# Altium PCB PCB.PcbDoc
Units mm, origin at the board's own origin, x right, y up, seen from the top; angles counter-clockwise.
Board outline 67.5 x 77.5 mm, 2 copper layers (Top Layer, Bottom Layer), stack 1.5 mm thick; 37 components, 19 nets, 89 pads, 0 vias.
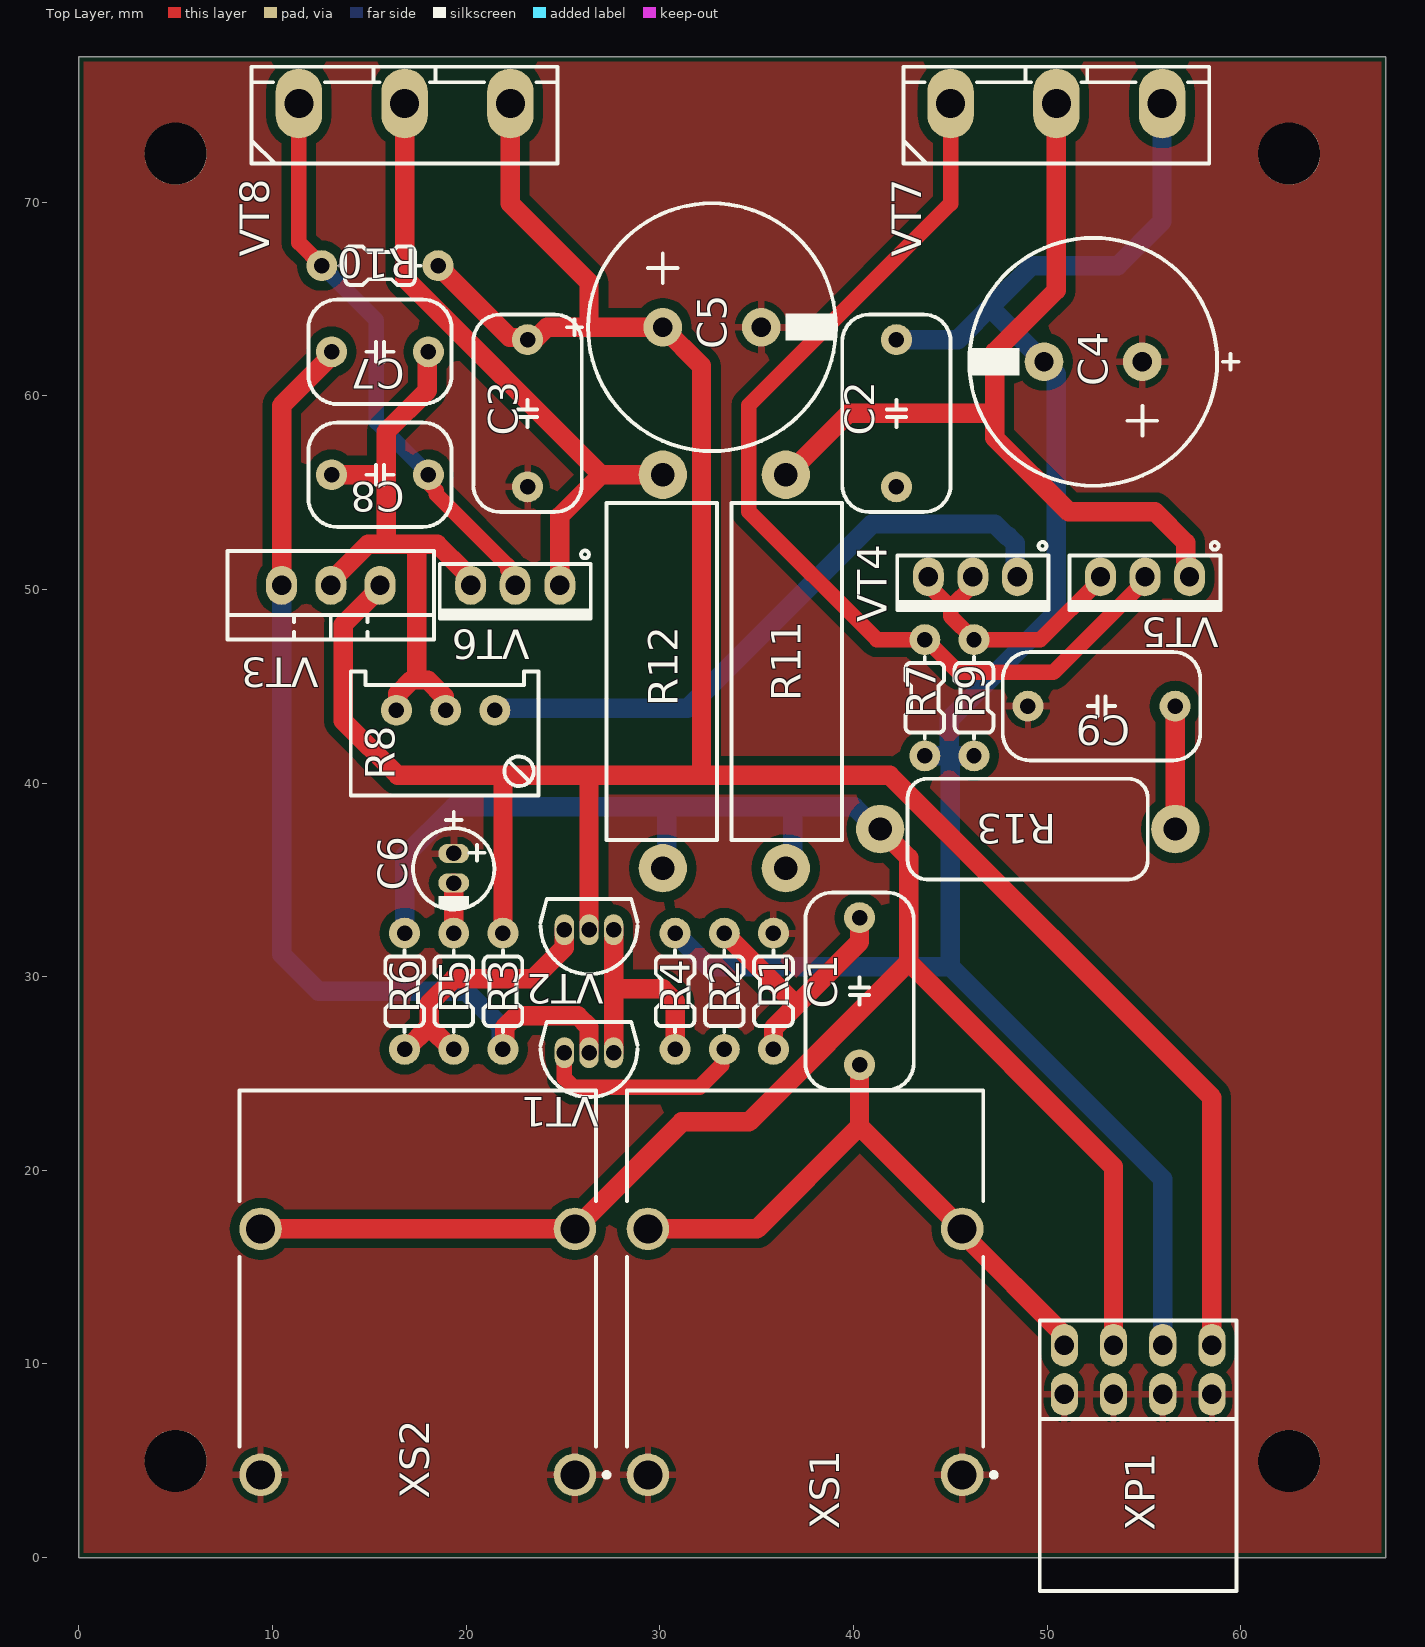
[diagram p0: Top Layer view]
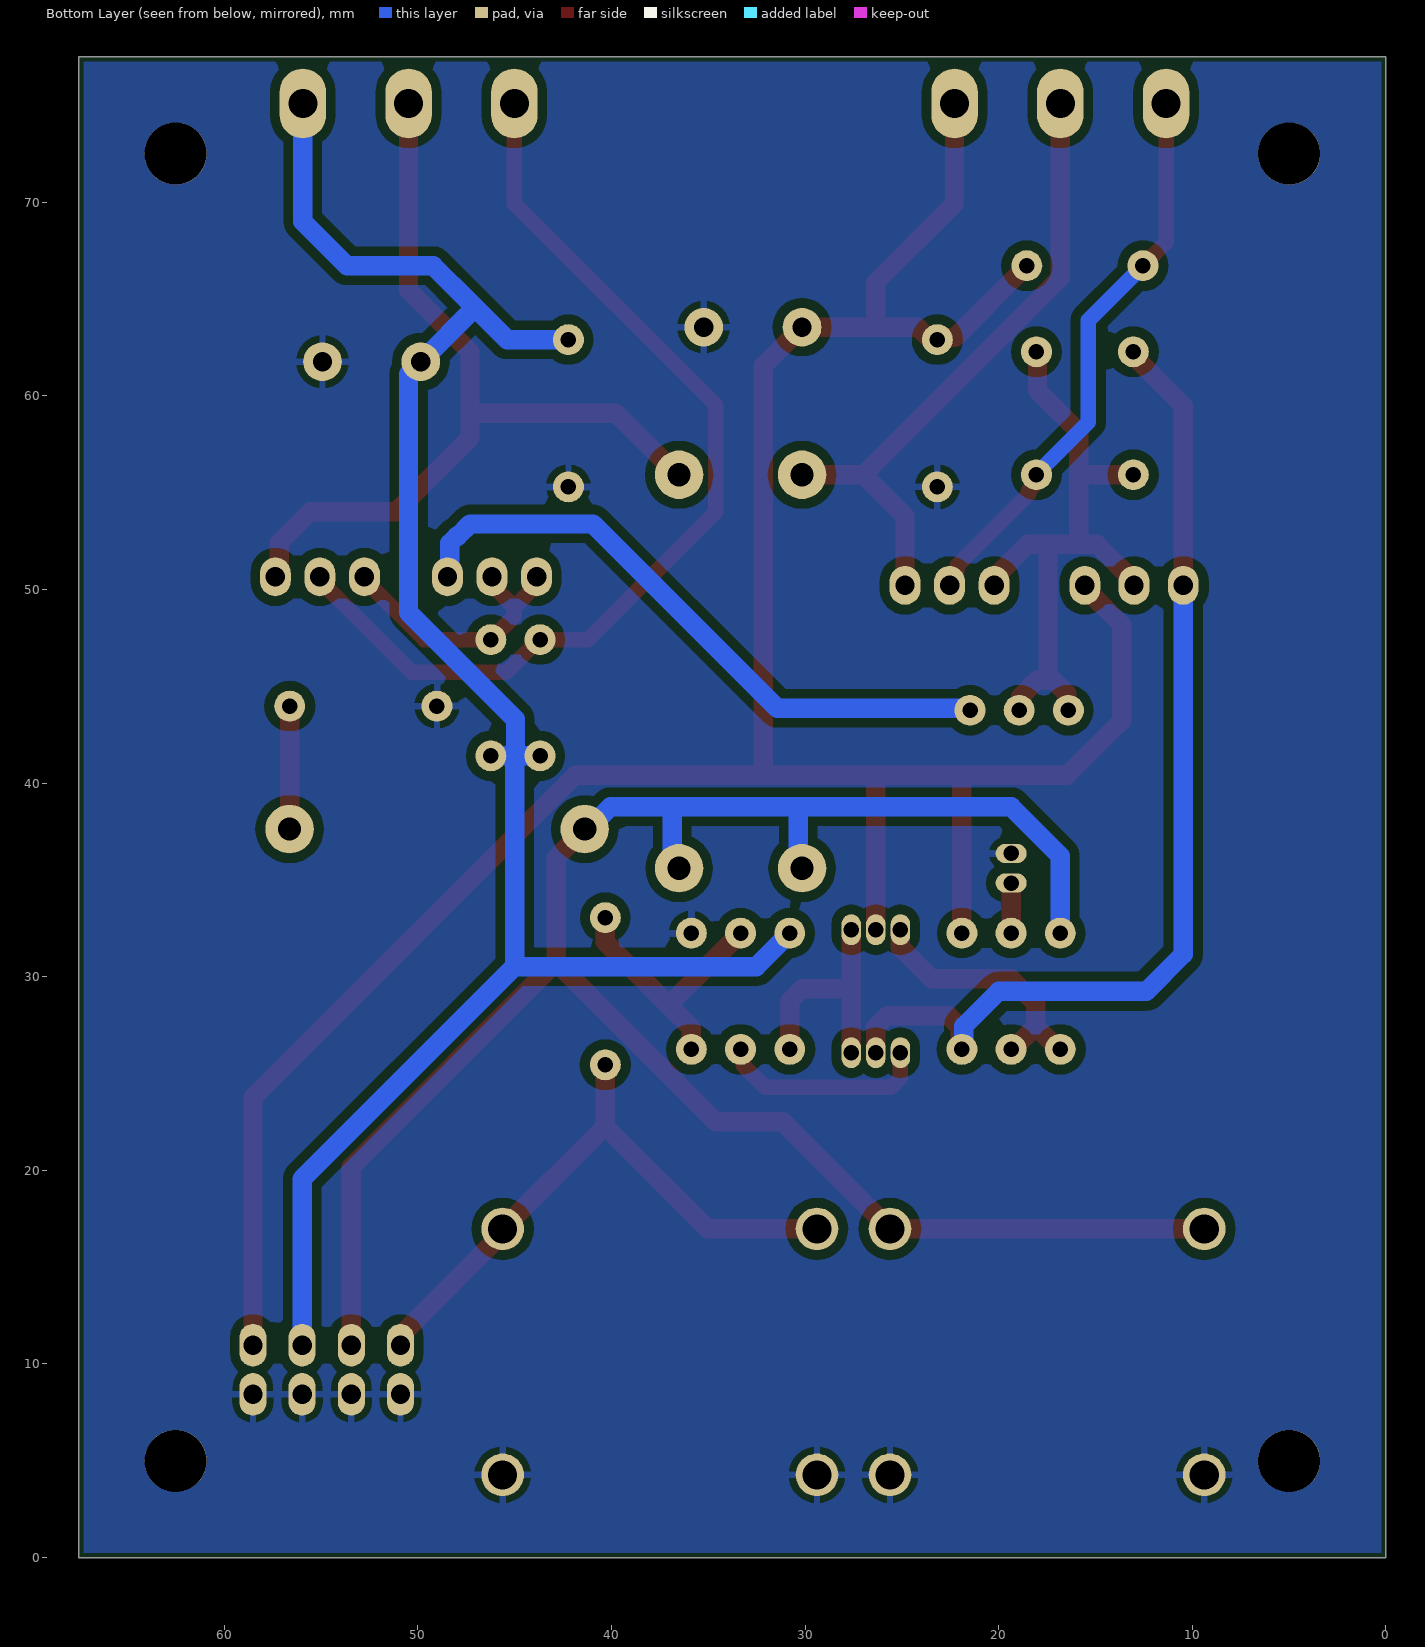
[diagram p1: Bottom Layer view, seen from below]

## Layer stack, top to bottom
Top Solder: solder mask 0.01, Solder Resist, Dk 3.5
Top Layer: signal copper 0.035
Dielectric 1: dielectric 1.43, FR-4, Dk 4.8
Bottom Layer: signal copper 0.035
Bottom Solder: solder mask 0.01, Solder Resist, Dk 3.5

## Board outline
0,0 0,77.5 67.5,77.5 67.5,0

## Design rules (kind name [scope] priority, off if disabled: settings)
AcuteAngle [All] p1: minimum=3.50000000000000E+0001 checktracksonly=FALSE
BoardOutlineClearance "BoardOutlineClearance 1" [All] p1: gap=0.25 ignorepadtopadclearanceinfootprint=FALSE except(0: Arc-SplitContinuation Track-SplitContinuation SMDPad-SplitContinuation THPad-SplitContinuation Via-SplitContinuation Fill-SplitContinuation Poly-SplitContinuation Region-SplitContinuation Text-SplitContinuation) // Milling
BoardOutlineClearance "BoardOutlineClearance 2" [All] p2: gap=0.4 ignorepadtopadclearanceinfootprint=FALSE except(0: Arc-SplitContinuation Track-SplitContinuation SMDPad-SplitContinuation THPad-SplitContinuation Via-SplitContinuation Fill-SplitContinuation Poly-SplitContinuation Region-SplitContinuation Text-SplitContinuation) // V-Cut
Clearance "Clearance 3 Oz" [All] p1 off: gap=0.35 ignorepadtopadclearanceinfootprint=FALSE except(0.25: Arc-Hole Track-Hole SMDPad-Hole THPad-Hole Via-Hole Fill-Hole Poly-Hole Region-Hole Text-Hole)
Clearance "Clearance 2 Oz" [All] p2 off: gap=0.3 ignorepadtopadclearanceinfootprint=FALSE except(0.25: Arc-Hole Track-Hole SMDPad-Hole THPad-Hole Via-Hole Fill-Hole Poly-Hole Region-Hole Text-Hole)
Clearance "Clearance-1 1 Oz" [All] p3: gap=0.2 ignorepadtopadclearanceinfootprint=FALSE except(0.25: Arc-Hole Track-Hole SMDPad-Hole THPad-Hole Via-Hole Fill-Hole Poly-Hole Region-Hole Text-Hole; 0.5: Arc-Fill Arc-Poly Arc-Region Track-Fill Track-Poly Track-Region SMDPad-Fill SMDPad-Poly SMDPad-Region THPad-Fill THPad-Poly THPad-Region Via-Fill Via-Poly Via-Region Fill-Fill Fill-Poly Fill-Region Poly-Poly Poly-Region Region-Region) // Standart
Clearance "Clearance-2 1 Oz" [All] p4: gap=0.15 ignorepadtopadclearanceinfootprint=FALSE except(0.2: Arc-Fill Arc-Poly Track-Fill Track-Poly SMDPad-Fill SMDPad-Poly THPad-Fill THPad-Poly Via-Fill Via-Poly Fill-Fill Fill-Poly Poly-Poly; 0.25: Arc-Hole Track-Hole SMDPad-Hole THPad-Hole Via-Hole Fill-Hole Poly-Hole Region-Hole Text-Hole) // Advance
Clearance "Clearance-1 1/2 Oz" [All] p5: gap=0.125 ignorepadtopadclearanceinfootprint=FALSE except(0.2: Arc-Fill Arc-Poly Track-Fill Track-Poly SMDPad-SMDPad SMDPad-Fill SMDPad-Poly THPad-Fill THPad-Poly Via-Fill Via-Poly Fill-Fill Fill-Poly Poly-Poly Poly-Region Poly-Text; 0.25: Arc-Hole Track-Hole SMDPad-Hole THPad-Hole Via-Hole Fill-Hole Poly-Hole Region-Hole Text-Hole) // Standart
Clearance "Clearance-2 1/2 Oz" [All] p6: gap=0.1 ignorepadtopadclearanceinfootprint=FALSE except(0.15: Arc-Fill Arc-Poly Track-Fill Track-Poly SMDPad-SMDPad SMDPad-Fill SMDPad-Poly THPad-Fill THPad-Poly Via-Fill Via-Poly Fill-Fill Fill-Poly Poly-Poly Poly-Region Poly-Text; 0.25: Arc-Hole Track-Hole SMDPad-Hole THPad-Hole Via-Hole Fill-Hole Poly-Hole Region-Hole Text-Hole) // Advance
DiffPairsRouting "DiffPairsRouting 1 Oz" [All] p1: maxlimit=0.254 minlimit=0.2 mostfreqgap=0.254 toplayer_minwidth=0.2 toplayer_maxwidth=0.381 toplayer_prefwidth=0.381 bottomlayer_minwidth=0.2 bottomlayer_maxwidth=0.381 bottomlayer_prefwidth=0.381 maxuncoupledlength=12.7
DiffPairsRouting "DiffPairsRouting 1/2 Oz" [All] p2: maxlimit=0.254 minlimit=0.1 mostfreqgap=0.254 toplayer_minwidth=0.1 toplayer_maxwidth=0.381 toplayer_prefwidth=0.381 bottomlayer_minwidth=0.1 bottomlayer_maxwidth=0.381 bottomlayer_prefwidth=0.381 maxuncoupledlength=12.7
HoleSize "Minimum HoleSize" [IsPad] p1: absolutevalues=TRUE maxlimit=5.9 minlimit=0.6 maxpercent=80.000 minpercent=20.000
HoleSize "Minimum HoleSize VIA 1" [IsVia] p2: absolutevalues=TRUE maxlimit=5.9 minlimit=0.3 maxpercent=80.000 minpercent=20.000 // Standart
HoleSize "Minimum HoleSize VIA 2" [IsVia] p3: absolutevalues=TRUE maxlimit=5.9 minlimit=0.2 maxpercent=80.000 minpercent=20.000 // Advance
HoleToHoleClearance Hole2HoleClearance [All] p1: gap=0.25 allowstackedmicrovias=FALSE
MinimumAnnularRing "Minimum AR VIA Standart" [IsVia] p1: minimumring=0.15
MinimumAnnularRing "Minimum AR PAD Standart" [IsPAD] p2: minimumring=0.2
MinimumAnnularRing "Minimum AR VIA Advance" [IsVia] p3: minimumring=0.1
MinimumAnnularRing "Minimum AR PAD Advance" [IsPAD] p4: minimumring=0.15
MinimumSolderMaskSliver "SolderMask Bridge Standart" [All] p1: minsoldermaskwidth=0.15 // All Masks
MinimumSolderMaskSliver "SolderMask Bridge Advance" [All] p2: minsoldermaskwidth=0.1 // Mask LDI
PlaneClearance "PlaneClearance 3 Oz" [All] p1: clearance=0.35
PlaneClearance "PlaneClearance 2 Oz" [All] p2: clearance=0.3
PlaneClearance "PlaneClearance 1 Oz" [All] p3: clearance=0.2
PlaneClearance "PlaneClearance-1 1/2 Oz" [All] p4: clearance=0.2 // Standart
PlaneClearance "PlaneClearance-2 1/2 Oz" [All] p5: clearance=0.15 // Advance
PlaneConnect "TermalConnect 3 Oz" [All] p1: planeconnectstyle=Relief reliefexpansion=0.2 reliefentries=4 reliefconductorwidth=0.35 reliefairgap=0.35 // Standart
PlaneConnect "TermalConnect 2 Oz" [All] p2: planeconnectstyle=Relief reliefexpansion=0.2 reliefentries=4 reliefconductorwidth=0.3 reliefairgap=0.3 // Standart
PlaneConnect "TermalConnect-1 1 Oz" [All] p3: planeconnectstyle=Relief reliefexpansion=0.2 reliefentries=4 reliefconductorwidth=0.2 reliefairgap=0.2 // Standart
PlaneConnect "TermalConnect-2 1 Oz" [All] p4: pad.planeconnectstyle=Relief pad.reliefexpansion=0.15 pad.reliefentries=4 pad.reliefconductorwidth=0.2 pad.reliefairgap=0.2 via.planeconnectstyle=Direct via.reliefexpansion=0.15 via.reliefentries=4 via.reliefconductorwidth=0.15 via.reliefairgap=0.15 // Advance
PlaneConnect "TermalConnect-1 1/2 Oz" [All] p5: planeconnectstyle=Relief reliefexpansion=0.2 reliefentries=4 reliefconductorwidth=0.2 reliefairgap=0.2 // Standart
PlaneConnect "TermalConnect-2 1/2 Oz" [All] p6: pad.planeconnectstyle=Relief pad.reliefexpansion=0.15 pad.reliefentries=4 pad.reliefconductorwidth=0.15 pad.reliefairgap=0.15 via.planeconnectstyle=Direct via.reliefexpansion=0.15 via.reliefentries=4 via.reliefconductorwidth=0.15 via.reliefairgap=0.15 // Advance
PolygonConnect "PolygonConnect 3 Oz" [All] p1: thpad.connectstyle=Relief thpad.reliefconductorwidth=0.35 thpad.reliefentries=4 thpad.polygonreliefangle="90 Angle" thpad.airgapwidth=0.35 smdpad.connectstyle=Relief smdpad.reliefconductorwidth=0.35 smdpad.reliefentries=4 smdpad.polygonreliefangle="90 Angle" smdpad.airgapwidth=0.35 via.connectstyle=Direct via.reliefconductorwidth=0.254 via.reliefentries=4 via.polygonreliefangle="90 Angle" via.airgapwidth=0.254
PolygonConnect "PolygonConnect 2 Oz" [All] p2: thpad.connectstyle=Relief thpad.reliefconductorwidth=0.3 thpad.reliefentries=4 thpad.polygonreliefangle="90 Angle" thpad.airgapwidth=0.3 smdpad.connectstyle=Relief smdpad.reliefconductorwidth=0.3 smdpad.reliefentries=4 smdpad.polygonreliefangle="90 Angle" smdpad.airgapwidth=0.3 via.connectstyle=Direct via.reliefconductorwidth=0.254 via.reliefentries=4 via.polygonreliefangle="90 Angle" via.airgapwidth=0.254
PolygonConnect "PolygonConnect-1 1 Oz" [All] p3: thpad.connectstyle=Relief thpad.reliefconductorwidth=0.2 thpad.reliefentries=4 thpad.polygonreliefangle="90 Angle" thpad.airgapwidth=0.2 smdpad.connectstyle=Relief smdpad.reliefconductorwidth=0.2 smdpad.reliefentries=4 smdpad.polygonreliefangle="90 Angle" smdpad.airgapwidth=0.2 via.connectstyle=Direct via.reliefconductorwidth=0.254 via.reliefentries=4 via.polygonreliefangle="90 Angle" via.airgapwidth=0.254 // Standart
PolygonConnect "PolygonConnect-2 1 Oz" [All] p4: thpad.connectstyle=Relief thpad.reliefconductorwidth=0.15 thpad.reliefentries=4 thpad.polygonreliefangle="90 Angle" thpad.airgapwidth=0.15 smdpad.connectstyle=Relief smdpad.reliefconductorwidth=0.15 smdpad.reliefentries=4 smdpad.polygonreliefangle="90 Angle" smdpad.airgapwidth=0.15 via.connectstyle=Direct via.reliefconductorwidth=0.254 via.reliefentries=4 via.polygonreliefangle="90 Angle" via.airgapwidth=0.254 // Advance
PolygonConnect "PolygonConnect-1 1/2 Oz" [All] p5: thpad.connectstyle=Relief thpad.reliefconductorwidth=0.15 thpad.reliefentries=4 thpad.polygonreliefangle="90 Angle" thpad.airgapwidth=0.2 smdpad.connectstyle=Relief smdpad.reliefconductorwidth=0.2 smdpad.reliefentries=4 smdpad.polygonreliefangle="90 Angle" smdpad.airgapwidth=0.2 via.connectstyle=Direct via.reliefconductorwidth=0.254 via.reliefentries=4 via.polygonreliefangle="90 Angle" via.airgapwidth=0.254 // Standart
PolygonConnect "PolygonConnect-2 1/2 Oz" [All] p6: thpad.connectstyle=Relief thpad.reliefconductorwidth=0.125 thpad.reliefentries=4 thpad.polygonreliefangle="90 Angle" thpad.airgapwidth=0.15 smdpad.connectstyle=Relief smdpad.reliefconductorwidth=0.125 smdpad.reliefentries=4 smdpad.polygonreliefangle="90 Angle" smdpad.airgapwidth=0.15 via.connectstyle=Direct via.reliefconductorwidth=0.254 via.reliefentries=4 via.polygonreliefangle="90 Angle" via.airgapwidth=0.254 // Advance
RoutingCorners [All] p1 off: cornerstyle=45-Degree minsetback=2.54 maxsetback=2.54
RoutingVias [All] p1: holewidth=0.3 width=0.6 viastyle="Through Hole" minholewidth=0.2 minwidth=0.4 maxholewidth=5.9 maxwidth=6.4
SilkToSilkClearance Silk2SilkClearance [All] p1 off: silktosilkclearance=0.15
SilkToSolderMaskClearance Silk2SolderMaskClearance [IsPad] p1 off: minsilkscreentomaskgap=0.15 clearancetoexposedcopper=TRUE
SolderMaskExpansion SolderMaskExpansion-1 [All] p1: expansion=0.05 istentingtop=FALSE // Standart
SolderMaskExpansion "SolderMaskExpansion LDI" [All] p2: expansion=0.025 istentingtop=FALSE // Advance
UnRoutedNet [All] p1: checkbadconnections=TRUE
Width "Width 3 Oz" [All] p1: maxlimit=10 minlimit=0.35 preferedwidth=0.4 checkconnectedcopper=TRUE
Width "Width 2 Oz" [All] p2: maxlimit=10 minlimit=0.3 preferedwidth=0.35 minimp=50.000000 maximp=50.000000 favimp=50.000000 checkconnectedcopper=TRUE
Width "Width 1 Oz" [All] p3: maxlimit=10 minlimit=0.15 preferedwidth=0.2 checkconnectedcopper=TRUE
Width "Width 1/2 Oz" [All] p4: maxlimit=10 minlimit=0.1 preferedwidth=0.125 checkconnectedcopper=TRUE
20 further rules are at their usual default settings.

## Classes and differential pairs
component class Sheet: C1 C2 C3 C4 C5 C6 C7 C8 C9 R1 R2 R3 R4 R5 R6 R7 R8 R9 R10 R11 R12 R13 VT1 VT2 VT3 VT4 VT5 VT6 VT7 VT8 XP1 XS1 XS2

## Components (designator, comment, footprint, x,y, rotation, side; value= is the part's Value field where it differs from the comment)
C1 "Capacitor" C_PLY_10X5 40.315,29.25 r90 top
C2 "Capacitor" C_PLY_10X5 42.22,59.095 r270 top
C3 "Capacitor" C_PLY_10X5 23.17,59.095 r270 top
C4 "Capactor polar" C_EL_12X25 52.38,61.755 r180 top
C5 "Capactor polar" C_EL_12X25 32.695,63.54 r0 top
C6 "Capactor polar" C_EL_4X7 19.36,35.6 r270 top
C7 "Capacitor" C_PLY_7X5 15.55,62.27 r0 top
C8 "Capacitor" C_PLY_7X5 15.55,55.92 r0 top
C9 "Capacitor" C_PLY_10X5 52.81,43.97 r180 top
R1 "Res" R0125W_AX025 35.87,29.25 r270 top
R2 "Res" R0125W_AX025 33.33,29.25 r90 top
R3 "Res" R0125W_AX025 21.9,29.25 r270 top
R4 "Res" R0125W_AX025 30.79,29.25 r90 top
R5 "Res" R0125W_AX025 19.36,29.25 r270 top
R6 "Res" R0125W_AX025 16.82,29.25 r270 top
R7 "Res" R0125W_AX025 46.225,44.404 r270 top
R8 "POT" POT_3296W 18.94,43.759 r180 top
R9 "Res" R0125W_AX025 43.685,44.404 r270 top
R10 "Res" R0125W_AX025 15.55,66.715 r180 top
R11 "Res" R2W_AX08 36.505,45.76 r90 top
R12 "Res" R2W_AX08 30.155,45.76 r270 top
R13 "Res" R1W_AX06 49,37.62 r180 top
VT1 "Transistor_PNP" TO92_3 26.345,26.075 r180 top
VT2 "Transistor_PNP" TO92_3 26.345,32.425 r180 top
VT3 "BD139G" TO220_3 13.01,50.205 r180 top
VT4 "BD139G" TO126_3 46.164,50.645 r180 top
VT5 "BD139G" TO126_3 55.054,50.645 r180 top
VT6 "Transistor_PNP" TO126_3 22.535,50.205 r180 top
VT7 "Transistor_PNP" TO247_3 50.475,75.09 r0 top
VT8 "BD139G" TO247_3 16.82,75.09 r0 top
XP1 "CONN" HDRR_F_2X4 50,2.5 r0 top
XS1 "Audio" FP-NMJ4HFD2-MFG 37.5,7.5 r270 top
XS2 "Audio" FP-NMJ4HFD2-MFG 17.5,7.5 r270 top
ZBOAS124391879 "Comment" "BOASVIEWdrill:Таблица отверстий:0:0:0:0" 5,2322.5 r0 top
ZBOAS666893304 "Слой 1" "BOASVIEWlayer:Top Layer:2:1:1:1" 15,2342.5 r0 top (schematic designator fewf)
ZBOAS846998693 "Comment" "BOASVIEWside:Вид платы слева:2:0:0:0" 185,2497.5 r0 top
ZBOAS965092788 "Слой 2" "BOASVIEWlayer:Bottom Layer:2:-2:32:1" 225,2342.5 r180 top (schematic designator fewf)

## Footprints (in the part's own frame and the unit in brackets; to place one, negate y for a bottom-side part, rotate by r counter-clockwise, add the part's x,y. Pads: shape width x height; smd on the part's side, far side on the other; paste and mask are expansions set on the pad)
"BOASVIEWdrill:Таблица отверстий:0:0:0:0" [mm]
"BOASVIEWlayer:Bottom Layer:2:-2:32:1" [mm]
"BOASVIEWlayer:Top Layer:2:1:1:1" [mm]
"BOASVIEWside:Вид платы слева:2:0:0:0" [mm]
C_EL_4X7 [mm] "Cap Elec, D4.0X7.0H pitch: 1.5mm"
  oval 1x1.6 hole 0.8: 1(-0.762,0) 2(0.762,0)
  silkscreen extent -2.9,-2.1 2.13,2.1, body extent -2,-2 2,2, height 1
C_EL_12X25 [mm] "Cap Elec, D12.0X25.0H pitch: 5.0mm, RB.2/.5"
  round 2 hole 1: 1(-2.54,0) 2(2.54,0)
  silkscreen extent -7.5,-6.4 6.4,6.4, body extent -6.25,-6.27 6.25,6.21, height 25.8
C_PLY_7X5 [mm] "CAP, POLYESTER, 7.0X5.0mm pitch: 5.0mm"
  round 1.6 hole 0.8: 1(-2.5,0) 2(2.5,0)
  silkscreen extent -3.7,-2.7 3.7,2.7, body extent -3.65,-2.6 3.65,2.6, height 8
C_PLY_10X5 [mm] "CAP, POLYESTER, 10X5.5mm pitch: 7.6mm"
  round 1.6 hole 0.8: 1(-3.8,0) 2(3.8,0)
  silkscreen extent -5.1,-2.8 5.1,2.8, body extent -5,-2.75 5,2.75, height 9
FP-NMJ4HFD2-MFG [mm]
  round 2.2 hole 1.5 paste-1000 mask+0: 1(-9.475,8.115) 1(-9.475,-8.115) 2(3.225,8.115) 2(3.225,-8.115)
  silkscreen extent -16.63,-9.2 3.35,9.88, body extent -16.73,-9.3 16.73,9.3, height 0.25
HDRR_F_2X4 [mm] "Connector; Header; 4x2 Position"
  oval 1.4x2.2 hole 1: 1(0.89,8.47) 2(0.89,5.93) 3(3.43,8.47) 4(3.43,5.93) 5(5.97,8.47) 6(5.97,5.93) 7(8.51,8.47) 8(8.51,5.93)
  silkscreen extent -0.38,-4.23 9.78,9.74, body extent -0.38,-4.23 9.78,8.77, height 5
POT_3296W [mm] "POT, TRIM, 10.0X5.0mm, pitch: 2.5mm 3299W 3296W S64W"
  round 1.6 hole 0.8: 1(-2.54,0) 2(0,0) 3(2.54,0)
  silkscreen extent -4.8,-2 4.9,4.4, body extent -4.73,-1.85 4.8,4.25, height 11.56
R1W_AX06 [mm] "RESISTOR 1 WATT, AXIAL0.6"
  round 2.5 hole 1.2: 1(-7.62,0) 2(7.62,0)
  silkscreen extent -6.2,-2.6 6.2,2.6, body extent -7.97,-2.49 7.97,2.51, height 5
R2W_AX08 [mm] "RESISTOR 2 WATT, AXIAL0.8"
  round 2.5 hole 1.2: 1(-10.16,0) 2(10.16,0)
  silkscreen extent -8.7,-2.9 8.7,2.8, body extent -10.51,-2.8 10.51,2.7, height 5.5
R0125W_AX025 [mm] "RESISTOR 1/8 WATT, AXIAL0.25"
  round 1.6 hole 0.8: 1(-3,0) 2(3,0)
  silkscreen extent -2.1,-1 2.1,1, body extent -3.2,-0.9 3.2,0.9, height 1.9
TO92_3 [mm] "TO-92, SOT54"
  oval 1x1.6 hole 0.8: 1(-1.27,0) 2(0,0) 3(1.27,0)
  silkscreen extent -2.5,-1.59 2.5,2.3, body extent -2.38,-1.45 2.38,2.18, height 7.82
TO126_3 [mm] "TO126, TO-126, SOT32 (PHIPLIPS), pitch: 2.3mm, 8X3mm"
  oval 1.6x2 hole 1: 1(-2.3,0) 2(0,0) 3(2.3,0)
  silkscreen extent -3.9,-1.8 3.9,1.7, body extent -3.8,-1 3.8,1.55, height 13.19
TO220_3 [mm] "TO-220 3 LEAD, TO-262, pitch: 2.54mm  10x4.5mm"
  oval 1.6x2 hole 1: 1(-2.54,0) 2(0,0) 3(2.54,0)
  silkscreen extent -5.33,-1.78 5.33,2.79, body extent -5.2,-1.85 5.2,2.65, height 19
TO247_3 [mm] "TO247, TO-247, TO-3P pitch: 5.5mm 16x5mm, TO-218"
  oval 2.4x3.6 hole 1.5: 1(5.461,0) 2(0,0) 3(-5.461,0)
  silkscreen extent -7.9,-3.1 7.9,1.9, body extent -7.8,-3 7.8,1.8, height 23.9

## Part data
VT3 VT4 VT5 VT8: library part Transistor_NPN, Case/Package=TO-225, Collector Base Voltage (VCBO)=80V, Collector Emitter Saturation Voltage=500mV, Current Rating=1.5A, Emitter Base Voltage (VEBO)=5V, Manufacturer Lifecycle Status=ACTIVE, Max Junction Temperature (Tj)=150°C, Max Power Dissipation=1.25W, Min Operating Temperature=-55°C, Collector Emitter Breakdown Voltage=80V, Collector Emitter Voltage (VCEO)=80V, Contact Plating=Tin, Element Configuration=Single, Height=11.04mm, hFE Min=25, Lead Free="Lead Free", Length=7.74mm, Lifecycle Status=Production, Max Collector Current=1.5A, Max Operating Temperature=150°C, NexarPartId=354669, Number of Elements=1, Number of Pins=3, Packaging=Bulk, Polarity=NPN, Power Dissipation=1.25W, Radiation Hardening=No, REACH SVHC="No SVHC", RoHS=Compliant, Schedule B="8541290080, 8541290080|8541290080, 8541290080|8541290080|8541290080, 8541290080|8541290080|8541290080|8541290080", Voltage Rating (DC)=80V, Weight=4.535924g, Width=2.66mm

## Free pads (board coordinates)
  round 3.2 hole 3.2: 0(5,5) 0(5,72.5) 0(62.5,5) 0(62.5,72.5)

## Nets (pads, with @x,y where several pads share a name; then routed paths per layer and width w, separated by ;. In a path a pad name is that pad's centre, name@x,y a point inside that pad or via, vN(x,y) a via of type N, cw(c..) or ccw(c..) an arc to the next point about the centre after c; other vN are vias at no path point)
GND: C2.2 C3.2 C4.1 C5.2 C6.1 C9.2 pad.0 R1.1 XP1.2 XP1.4 XP1.6 XP1.8 XS1.2 XS2.2
NetC1_1: C1.1 XP1.1 XS1.1 | length 32
  Top Layer w1: XS1.1@29.385,16.975 35.015,16.975 40.315,22.275 ; C1.1 40.315,22.275 ; XP1.1 50.89,11.478 45.615,16.753 45.615,16.975 40.315,22.275
NetC1_2: C1.2 R1.2 R2.2 | length 14
  Top Layer w1: R2.2 36.822,28.758 36.822,28.298 ; R1.2 35.87,27.345 36.822,28.298 ; C1.2 40.315,31.79 36.822,28.298
NetC2_1: C2.1 C4.2 R4.2 R7.2 R9.2 VT7.1 XP1.5 | length 101.6
  Bottom Layer w1: R4.2 32.52,30.52 45,30.52 ; C2.1 45.385,62.895 ; R9.2 44.955,41.404 ; 45,41.404 45,30.52 ; 45.395,62.905 47.3,64.81 49.205,66.715 53.65,66.715 55.936,69.001 VT7.1@55.936,75.091 ; R7.2 44.955,41.404 ; 47.042,64.553 C4.2 50.475,61.12 50.475,48.806 44.955,43.286 44.955,41.404 ; XP1.5 55.97,19.55 45,30.52
NetC3_1: C3.1 C5.1 R3.1 R10.1 VT2.2 VT3.1 VT8.1 XP1.7 | length 140.2
  Top Layer w1: VT3.1@15.315,50.2 15.315,49.848 13.645,48.178 13.645,43.22 16.465,40.4 21.9,40.4 ; R10.1 22.255,63.01 23.055,63.01 C3.1 23.532,62.895 24.177,63.54 26.345,63.54 ; R3.1 21.9,40.4 ; VT8.1 22.281,69.925 26.345,65.861 26.345,63.54 ; VT2.2 26.345,40.4 ; XP1.7 58.51,23.755 41.865,40.4 32.155,40.4 ; 21.9,40.4 26.345,40.4 ; 26.345,40.4 32.155,40.4 ; 26.345,63.54 C5.1 32.155,61.54 32.155,40.4
NetC6_2: C6.2 R5.1 | length 2.6
  Top Layer w1: R5.1 C6.2
NetC7_1: C7.1 R3.2 VT1.2 VT3.3 | length 53.6
  Top Layer w1: VT3.3 10.47,59.49 13.05,62.07 C7.1 ; R3.2 21.996,26.346 21.996,27.394 22.581,27.98 25.759,27.98 26.345,27.394 VT1.2
  Bottom Layer w1: VT3.3 10.47,31.155 12.375,29.25 19.995,29.25 21.804,27.441 21.804,26.346 R3.2
NetC7_2: C7.2 C8.1 R8.2 R8.3 VT3.2 VT6.3 | length 34.2
  Top Layer w1: VT3.2 13.01,50.405 14.935,52.33 15.865,52.33 17.455,52.33 ; C8.1 15.865,55.92 ; 15.865,52.768 15.865,55.92 ; R8.3 16.477,43.835 16.477,44.611 17.186,45.32 18.015,45.32 18.864,44.471 18.864,43.835 R8.2 ; 17.455,45.32 17.455,52.33 ; C7.2 17.999,62.219 17.999,60.274 15.865,58.14 15.865,55.92 ; VT6.3 20.235,50.567 19.935,50.867 19.935,50.9 18.505,52.33 18.015,52.33 17.455,52.33
NetC8_2: C8.2 R10.2 VT6.2 VT8.3 | length 29.6
  Top Layer w0.8: VT8.3@11.359,75.205 VT8.3 11.359,67.906 R10.2 ; C8.2 18.05,55.504 18.45,55.104 18.45,54.925 22.138,51.237 22.138,51.018 22.535,50.622 VT6.2
  Bottom Layer w0.8: R10.2 15.367,63.898 15.367,58.643 18.05,55.96 C8.2
NetC9_1: C9.1 R13.1 | length 6.4
  Top Layer w1: C9.1 56.615,43.965 56.615,37.625 R13.1
NetR2_1: R2.1 VT1.3 | length 11
  Top Layer w0.8: VT1.3 25.075,24.759 25.543,24.29 32.06,24.29 33.196,25.426 33.196,26.116 R2.1
NetR4_1: R4.1 VT1.1 VT2.1 | length 12.3
  Top Layer w1: VT1.1@27.615,26.14 27.615,29.37 ; VT2.1@27.615,32.49 27.615,29.37 ; R4.1 30.79,28.735 30.155,29.37 27.615,29.37
NetR5_2: R5.2 R6.2 VT2.3 | length 13.8
  Top Layer w1: R6.2 16.907,26.25 18.09,27.433 ; R5.2 19.272,26.25 18.09,27.433 ; VT2.3 25.075,31.501 23.459,29.885 19.36,29.885 18.09,28.615 18.09,27.433
NetR6_1: R6.1 R11.1 R12.2 R13.2 XP1.3 XS2.1 | length 105.6
  Top Layer w1: XS2.1@9.385,16.975 25.615,16.975 31.14,22.5 34.6,22.5 42.855,30.755 ; R13.2 42.855,36.145 42.855,31.131 42.855,30.755 ; XP1.3 53.43,20.18 42.855,30.755
  Bottom Layer w1: R6.1 16.82,36.235 19.36,38.775 30.36,38.775 ; R12.2@30.36,36.44 30.36,38.775 ; R11.1@36.71,36.44 36.865,36.595 36.865,38.775 ; R13.2 41.199,37.62 40.044,38.775 36.865,38.775 ; 30.36,38.775 36.865,38.775
NetR7_1: R7.1 VT4.2 VT4.3 VT5.3 | length 14.5
  Top Layer w0.8: VT4.3 43.864,50.229 45.014,49.079 ; VT4.2 46.164,50.229 45.014,49.079 ; VT5.3 52.754,50.5 49.658,47.404 48.944,47.404 R7.1 45.014,48.615 45.014,49.079
  Bottom Layer w0.8: VT4.2 VT4.2@46.194,50.615 ; R7.1@46.194,47.435 R7.1 ; VT5.3@52.754,50.445 VT5.3
NetR8_1: R8.1 VT4.1 | length 33.1
  Bottom Layer w1: R8.1 21.577,43.855 31.425,43.855 40.95,53.38 47.3,53.38 47.935,52.745 47.984,52.745 48.349,52.38 48.349,50.76 VT4.1
NetR9_1: R9.1 VT5.2 VT7.3 | length 51.3
  Top Layer w0.8: VT7.3@45.014,75 45.014,69.925 34.605,59.516 34.605,54.01 41.211,47.404 43.743,47.404 45.427,45.72 50.329,45.72 55.054,50.445 VT5.2
NetR11_2: R11.2 VT5.1 VT7.2 | length 44.5
  Top Layer w1: R11.2 36.584,55.92 39.759,59.095 47.3,59.095 ; VT7.2@50.475,75 50.475,65.445 47.3,62.27 47.3,59.095 ; VT5.1 57.239,50.76 57.239,51.384 57.158,51.465 57.158,52.412 55.555,54.015 51.11,54.015 47.3,57.825 47.3,59.095
NetR12_1: R12.1 VT6.1 VT8.2 | length 33.3
  Top Layer w1: VT8.2@16.82,75.205 VT8.2 16.82,66.08 26.98,55.92 ; VT6.1 24.835,53.775 26.98,55.92 ; R12.1 26.98,55.92

## Polygon pours and split planes (outlines as drawn)
GND on Top Layer "GND_L01_P005" (solid, remove dead copper, pour order 5): 0,0 0,77.5 67.5,77.5 67.5,0
GND on Bottom Layer "GND_L02_P004" (solid, remove dead copper, pour order 4): 0,0 0,77.5 67.5,77.5 67.5,0

## Other copper
Top Layer:
  pour cut-out: 40,52.9 40,57.9 45,57.9 45,52.9

## Silkscreen, mask and mechanical layers (free items; w line width, h text height)
Mechanical 1:
  the board outline again, w0.5
Mechanical 7:
  text "BOASFORMAT|А3|1|0|883070867|165354330|1000000000|2:1|" at -30.13,2530.675 h0
  text "SET2|Superlayer=MechanicalLayer7|Wsuperlayer=MechanicalLayer8|Layergrid=MechanicalLayer9|Werase=MechanicalLayer11|Layermark=MechanicalLayer12|Layerstamp=MechanicalLayer13|Thinline=0,15|Basicline=0,6|Gridline=0,15|Boardline=0,6|Contourpolygonline=0,3|PcbGridStep=1|PcbGridNumbering=True|PcbGridCleareanceAtView=0|PcbGridNumberEach=l5|PcbGridLineEach=l1|PcbGridCountSecondaryStrip=4|PcbGridEnabledStrip=True|PcbGridHorizontal90=False|PcbGridWhiteAreaBeforeText=True|PcbSignalGridEnabled=True|PcbSignalShowBukva=True|RealSignalLayerNames=False|PcbGridEnabledBothSide=False|PcbPolarGridEnabled=False|PcbPolarGridAngleStep=10|PcbPolarGridRadialStep=10|PcbPolarGridCenterPcbGrid=False|SilkShowPad=True|SilkViewName=Слой маркировки|SilkShowHole=True|SilkShowAxis=True|SilkShowBukva=True|SilkShowGrid=False|SolderShowGrid=False|SolderViewName=Слой маски|SolderShowAxis=False|SolderShowBukva=False|MainViewShowGrid=False|MainViewMinDiameterHoles=2|MainViewUseShapesDrill=False|ShowBukvaOnSboky=True|ShowBukvaViews=True|Density=2,2|CustomHoleSizeFactor=2|TableName=Таблица 1|RazrezWidth=100|RealLayerNames=False|RazrezShowBukva=False|RazrezBukva=В-В|Sher=Ra 25|Asstoplayer=MechanicalLayer1|Asstoplayer2=BottomOverlay|Assbottomlayer=MechanicalLayer2|Assbottomlayer2=TopOverlay|AssMinDiameterHoles=2|AssDim=True|AssMech=True|AssSilk=False|AssComponentSilk=False|AssFreeSilk=False|AssSmdPads=False|AssGridEnable=True|AssShowBukva=False|Mirror=Horisontal|PcbGridFontSize=3,5|PcbGridCenterZero=False|TTStampDistance=12|MainFontSize=3,5|PolyShtrihEnable=True|RegionShtrihEnable=False|PolyStep=2|PcbDrillDrawingGridEnabled=False|PcbDrillDrawingViewName=Слой сверловки|PcbDrillDrawingShowBukva=False|PcbDrillDrawingShowAxis=False|PcbSignalLayersUseDrill=True|PcbSignalLayersUseWhiteHoles=True|PcbSignalLayersUseShapesDrill=True|PcbSignalLayersShowAxis=False" at -30.13,-9.3 h0
  text "BOASVIADRILLTABLE:" at -30.13,-9.325 h0
  text "2BOASDRILLTABLE:circle0001,314961,Да,41,True,js12|circle1101,393701,Да,24,True,js12|circle0011,472441,Да,6,True,js12|triangle,590550,Да,4,True,js12|circle0110,590551,Да,10,True,js12|circle1010,1259843,Да,4,True,H12" at -30.13,-9.325 h0
Top 3D Body:
  lines w0.15: 199.87,2243.675 264.87,2243.675 ; 199.87,2248.675 264.87,2248.675 ; 199.87,2253.675 264.87,2253.675 ; 199.87,2258.675 264.87,2258.675 ; 199.87,2263.675 264.87,2263.675 ; 199.87,2278.675 264.87,2278.675 ; 199.87,2283.675 264.87,2283.675 ; 199.87,2288.675 264.87,2288.675 ; 339.83,2258.675 339.83,2273.675 ; 344.85,2258.675 344.85,2273.675 ; 361.57,2512.775 364.67,2507.375 370.27,2517.175 ; -30.13,2233.675 389.87,2233.675 389.87,2530.675 -30.13,2530.675 -30.13,2233.675
  lines w0.6: -22.13,2263.675 -10.13,2263.675 ; -22.13,2298.675 -10.13,2298.675 ; -22.13,2323.675 -10.13,2323.675 ; -22.13,2348.675 -10.13,2348.675 ; -22.13,2465.675 -10.13,2465.675 ; -17.13,2238.675 -17.13,2383.675 ; -17.13,2405.675 -17.13,2525.675 ; -10.13,2383.675 -22.13,2383.675 -22.13,2238.675 -10.13,2238.675 ; -10.13,2405.675 -22.13,2405.675 -22.13,2525.675 -10.13,2525.675 ; -10.13,2511.675 59.87,2511.675 59.87,2525.675 ; 199.87,2238.675 199.87,2293.675 384.87,2293.675 ; 199.87,2268.675 264.87,2268.675 ; 199.87,2273.675 264.87,2273.675 ; 206.87,2268.675 206.87,2293.675 ; 216.87,2238.675 216.87,2293.675 ; 239.87,2238.675 239.87,2293.675 ; 254.87,2238.675 254.87,2293.675 ; 264.87,2238.675 264.87,2293.675 384.87,2293.675 ; 264.87,2253.675 334.87,2253.675 384.87,2253.675 ; 264.87,2278.675 384.87,2278.675 ; 321.87,2514.675 326.87,2505.675 334.47,2519.675 ; 334.57,2519.675 376.87,2519.675 ; 334.87,2238.675 334.87,2278.675 ; 334.87,2258.675 384.87,2258.675 ; 334.87,2273.675 349.87,2273.675 384.87,2273.675 ; 349.87,2258.675 349.87,2278.675 ; 355.44,2253.675 355.44,2258.675 ; 366.87,2258.675 366.87,2278.675 ; 384.87,2301.675 384.87,2293.675 ; -10.13,2238.675 384.87,2238.675 384.87,2525.675 -10.13,2525.675 ; -10.13,2238.675 -10.13,2525.675
  text "Ra 25" at 334.57,2507.375 h10.75
  text "(" at 357.87,2507.375 h10.75
  text ")" at 368.87,2507.375 h10.75
  text "Перв. примен." at -18.053,2483.106 h5.38 r90
  text "Справ. №" at -18.053,2426.579 h5.38 r90
  text "Подп. и дата" at -18.053,2354.039 h5.38 r90
  text "Инв. № дубл." at -18.053,2324.646 h5.38 r90
  text "Взам. инв. №" at -18.053,2299.534 h5.38 r90
  text "Лит." at 338.394,2274.598 h5.38
  text "Масса" at 352.925,2274.598 h5.38
  text "Масштаб" at 367.116,2274.598 h5.38
  text "Изм." at 199.628,2269.598 h5.38
  text "Лист" at 207.195,2269.598 h5.38
  text "№ докум." at 220.313,2269.598 h5.38
  text "Подп." at 242.598,2269.598 h5.38
  text "Дата" at 254.573,2269.598 h5.38
  text "Подп. и дата" at -18.053,2269.539 h5.38 r90
  text "Разраб." at 200.403,2264.446 h5.38
  text "17 г" at 353.827,2263.921 h7.68
  text "2:1" at 372.241,2263.921 h7.68
  text "Пров." at 200.403,2259.446 h5.38
  text "Т.контр." at 200.403,2254.446 h5.38
  text "Лист" at 336.312,2254.446 h5.38
  text "Листов" at 357.355,2254.446 h5.38
  text "1" at 377.221,2254.446 h5.38
  text "Н.контр." at 200.403,2244.446 h5.38
  text "Инв. № подл." at -18.053,2239.646 h5.38 r90
  text "Утв." at 200.403,2239.446 h5.38
  text "Копировал" at 275.403,2234.446 h5.38
  text "Формат А3" at 354.222,2234.446 h5.38

## Text inside footprints (layer, text, board x,y; h text height)
ZBOAS124391879: Mechanical 12 "-" at 104.839,2247.923 h5.38; Mechanical 12 "Да" at 143.155,2247.923 h5.38; Mechanical 12 "+0,12" at 68.115,2250.624 h3.84; Mechanical 12 "3,2" at 61.159,2247.923 h5.38; Mechanical 12 "4" at 172.322,2247.923 h5.38; Mechanical 12 "2,2" at 102.794,2259.423 h5.38; Mechanical 12 "Да" at 143.155,2259.423 h5.38; Mechanical 12 "1,5±0,05" at 56.8,2259.423 h5.38; Mechanical 12 "10" at 171.67,2259.423 h5.38; Mechanical 12 "2,4" at 102.921,2271.323 h5.38; Mechanical 12 "Да" at 143.155,2271.323 h5.38; Mechanical 12 "1,5±0,05" at 56.8,2271.323 h5.38; Mechanical 12 "4" at 172.322,2271.323 h5.38; Mechanical 12 "2,5" at 102.776,2283.623 h5.38; Mechanical 12 "Да" at 143.155,2283.623 h5.38; Mechanical 12 "1,2±0,05" at 56.8,2283.623 h5.38; Mechanical 12 "6" at 172.24,2283.623 h5.38; Mechanical 12 "1,6" at 103.488,2294.323 h5.38; Mechanical 12 "Да" at 143.155,2294.323 h5.38; Mechanical 12 "1±0,05" at 58.457,2294.323 h5.38; Mechanical 12 "24" at 171.11,2294.323 h5.38; Mechanical 12 "1,0" at 103.48,2304.173 h5.38; Mechanical 12 "Да" at 143.155,2304.173 h5.38; Mechanical 12 "0,8±0,05" at 56.315,2304.173 h5.38; Mechanical 12 "41" at 171.158,2304.173 h5.38; Mechanical 12 "отв." at 169.546,2311.923 h5.38; Mechanical 12 "Кол." at 169.613,2317.923 h5.38; Mechanical 12 "металлизации" at 131.648,2311.923 h5.38; Mechanical 12 "Наличие" at 137.806,2317.923 h5.38; Mechanical 12 "площадки, мм" at 92.539,2311.923 h5.38; Mechanical 12 "Диаметр контактной" at 84.5,2317.923 h5.38; Mechanical 12 "мм" at 61.457,2311.923 h5.38; Mechanical 12 "Диаметр отв.," at 50.364,2317.923 h5.38; Mechanical 12 "обозначение отв." at 8.505,2311.923 h5.38; Mechanical 12 "Условное" at 16.399,2317.923 h5.38; Mechanical 12 "Таблица 1" at 5,2324 h5.38
ZBOAS666893304: Mechanical 7 "65" at 142.472,2334.64 h6.12; Mechanical 7 "60" at 132.554,2334.64 h6.12; Mechanical 7 "55" at 122.367,2334.64 h6.12; Mechanical 7 "50" at 112.449,2334.64 h6.12; Mechanical 7 "45" at 102.313,2334.64 h6.12; Mechanical 7 "40" at 92.395,2334.64 h6.12; Mechanical 7 "35" at 82.372,2334.64 h6.12; Mechanical 7 "30" at 72.454,2334.64 h6.12; Mechanical 7 "25" at 62.369,2334.64 h6.12; Mechanical 7 "20" at 52.452,2334.64 h6.12; Mechanical 7 "15" at 43.089,2334.64 h6.12; Mechanical 7 "10" at 33.172,2334.64 h6.12; Mechanical 7 "5" at 23.625,2334.64 h6.12; Mechanical 7 "0" at 13.877,2334.64 h6.12; Mechanical 7 "75" at 6.476,2490.703 h6.12; Mechanical 7 "70" at 6.64,2480.703 h6.12; Mechanical 7 "65" at 5.943,2470.703 h6.12; Mechanical 7 "60" at 6.107,2460.703 h6.12; Mechanical 7 "55" at 5.733,2450.703 h6.12; Mechanical 7 "50" at 5.898,2440.703 h6.12; Mechanical 7 "45" at 5.626,2430.703 h6.12; Mechanical 7 "40" at 5.79,2420.703 h6.12; Mechanical 7 "35" at 5.745,2410.703 h6.12; Mechanical 7 "30" at 5.909,2400.703 h6.12; Mechanical 7 "25" at 5.739,2390.703 h6.12; Mechanical 7 "20" at 5.903,2380.703 h6.12; Mechanical 7 "15" at 7.179,2370.703 h6.12; Mechanical 7 "10" at 7.343,2360.703 h6.12; Mechanical 7 "5" at 8.25,2350.703 h6.12; Mechanical 7 "0" at 8.755,2340.703 h6.12
ZBOAS965092788: Mechanical 7 "65" at 227.471,2334.64 h6.12; Mechanical 7 "60" at 237.554,2334.64 h6.12; Mechanical 7 "55" at 247.367,2334.64 h6.12; Mechanical 7 "50" at 257.449,2334.64 h6.12; Mechanical 7 "45" at 267.313,2334.64 h6.12; Mechanical 7 "40" at 277.395,2334.64 h6.12; Mechanical 7 "35" at 287.372,2334.64 h6.12; Mechanical 7 "30" at 297.454,2334.64 h6.12; Mechanical 7 "25" at 307.369,2334.64 h6.12; Mechanical 7 "20" at 317.452,2334.64 h6.12; Mechanical 7 "15" at 328.089,2334.64 h6.12; Mechanical 7 "10" at 338.172,2334.64 h6.12; Mechanical 7 "5" at 348.625,2334.64 h6.12; Mechanical 7 "0" at 358.877,2334.64 h6.12; Mechanical 7 "75" at 364,2490.703 h6.12; Mechanical 7 "70" at 364,2480.703 h6.12; Mechanical 7 "65" at 364,2470.703 h6.12; Mechanical 7 "60" at 364,2460.703 h6.12; Mechanical 7 "55" at 364,2450.703 h6.12; Mechanical 7 "50" at 364,2440.703 h6.12; Mechanical 7 "45" at 364,2430.703 h6.12; Mechanical 7 "40" at 364,2420.703 h6.12; Mechanical 7 "35" at 364,2410.703 h6.12; Mechanical 7 "30" at 364,2400.703 h6.12; Mechanical 7 "25" at 364,2390.703 h6.12; Mechanical 7 "20" at 364,2380.703 h6.12; Mechanical 7 "15" at 364,2370.703 h6.12; Mechanical 7 "10" at 364,2360.703 h6.12; Mechanical 7 "5" at 364,2350.703 h6.12; Mechanical 7 "0" at 364,2340.703 h6.12